# KiCad board panel.kicad_pcb (continued)
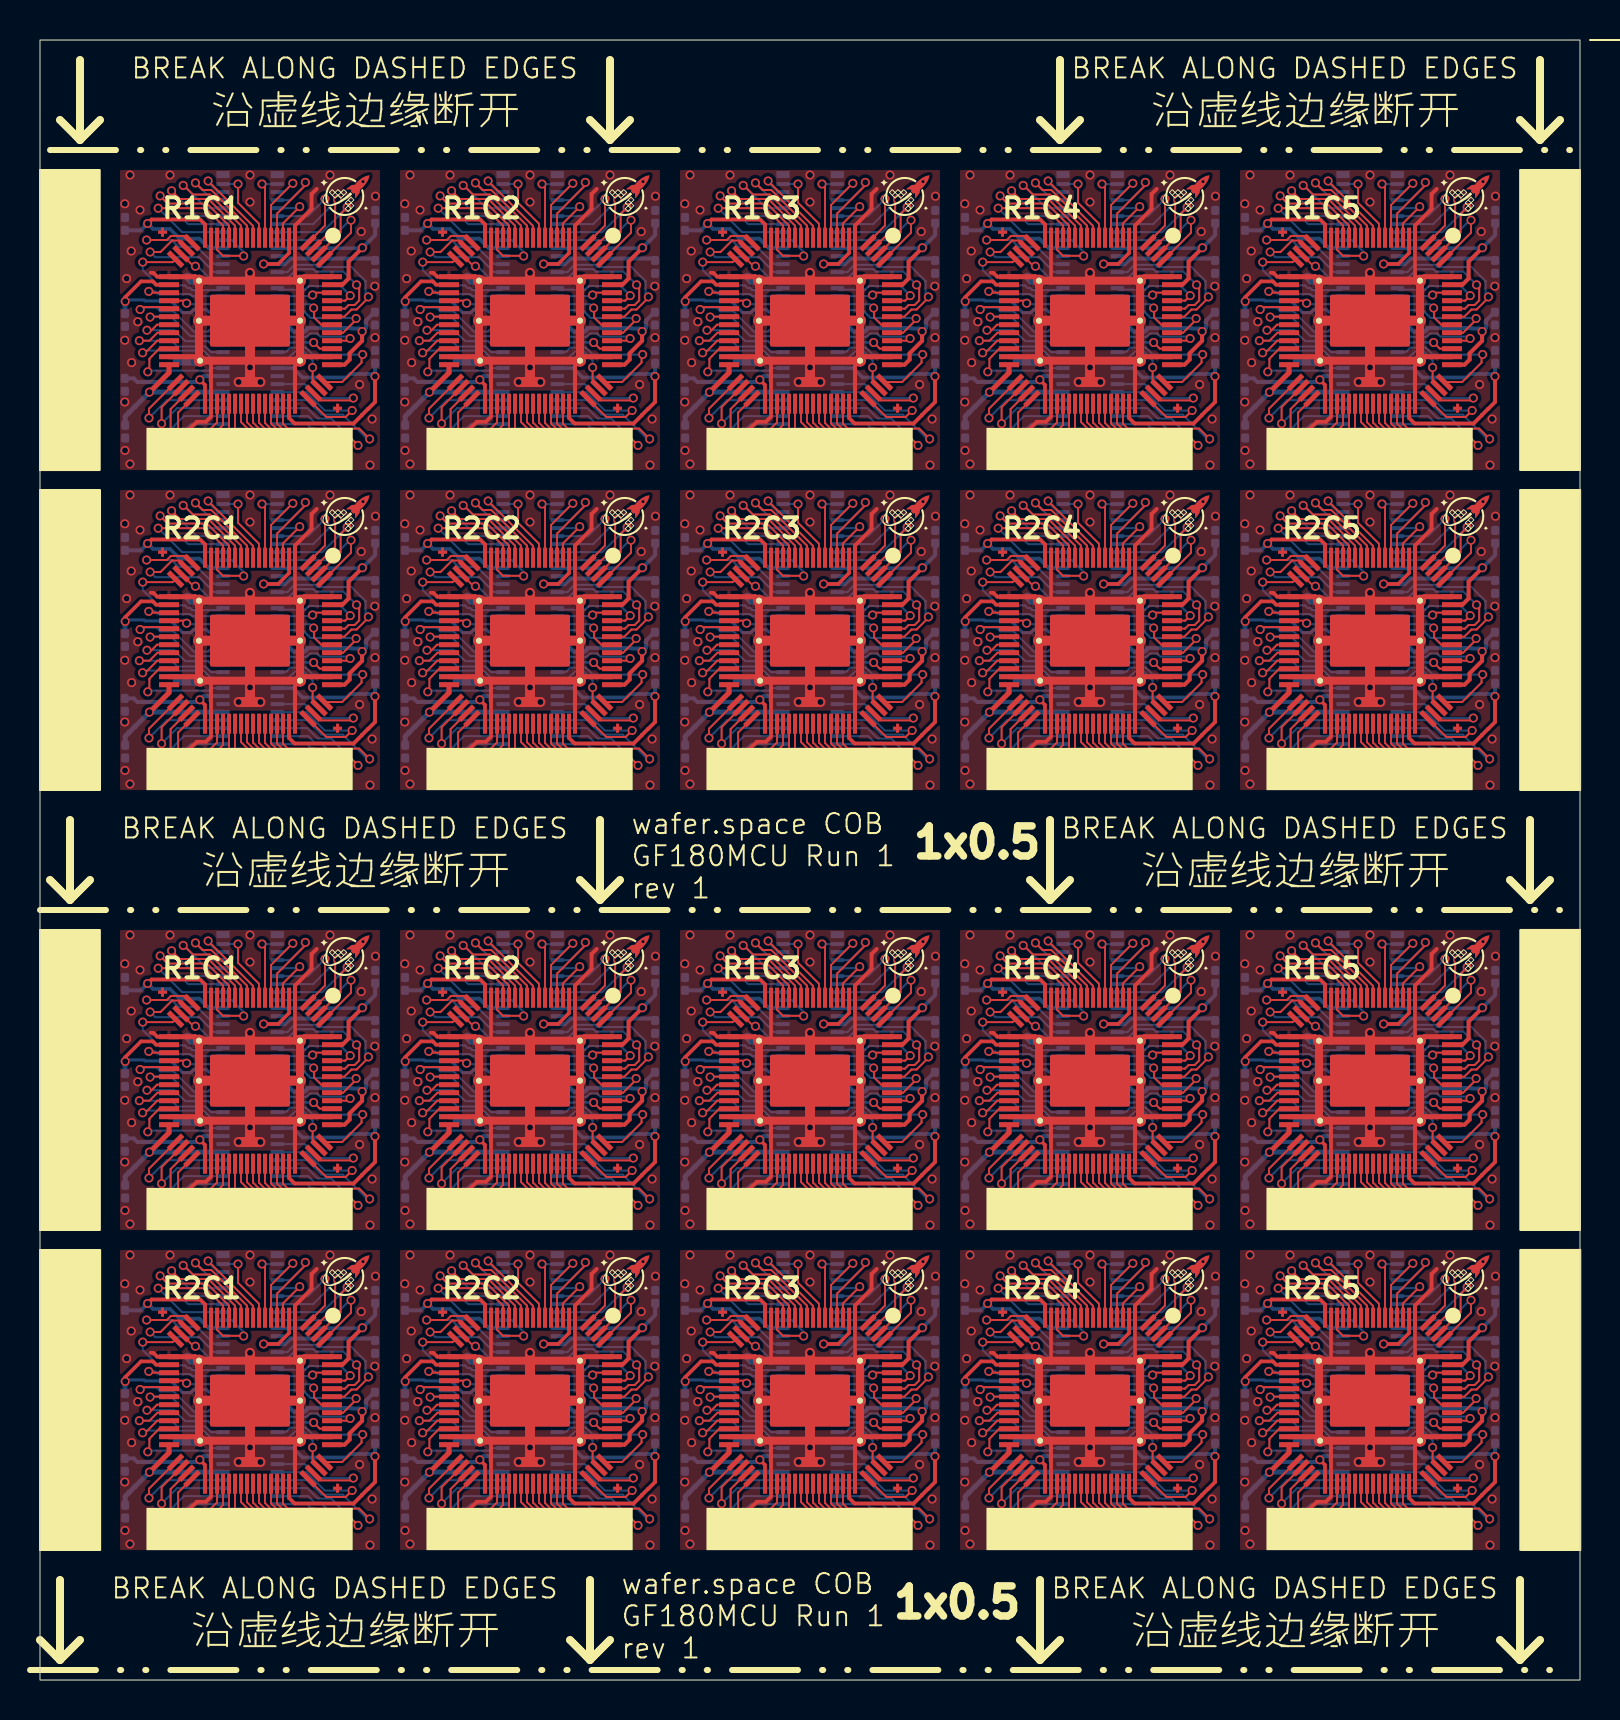
[diagram p0: board, top side]
## Routing (per net, layer and track width the routed paths; a pad name or vN(x,y) marks a point on that pad's centre or on a via; arc(x,y) is an arc through that point) (continued)
PWR_AUX_0: length 174.3
  Top w0.18: v1(60.26,68.93) 60.26,69.14 61.05,69.93 61.64,69.93 61.8,69.77 U110.26 ; v1(4.26,68.93) 4.26,69.14 5.05,69.93 5.64,69.93 5.8,69.77 U102#2.26 ; U120#2.26 61.8,53.77 61.64,53.93 61.05,53.93 60.26,53.14 v1(60.26,52.93) ; v1(46.26,52.93) 46.26,53.14 47.05,53.93 47.64,53.93 47.8,53.77 U118.26 ; U108.26 47.8,31.77 47.64,31.93 47.05,31.93 46.26,31.14 v1(46.26,30.93) ; U118#2.26 47.8,15.77 47.64,15.93 47.05,15.93 46.26,15.14 v1(46.26,14.93) ; U116.26 33.8,53.77 33.64,53.93 33.05,53.93 32.26,53.14 v1(32.26,52.93) ; U116#2.26 33.8,15.77 33.64,15.93 33.05,15.93 32.26,15.14 v1(32.26,14.93) ; v1(18.26,14.93) 18.26,15.14 19.05,15.93 19.64,15.93 19.8,15.77 U114#2.26 ; U104.26 19.8,69.77 19.64,69.93 19.05,69.93 18.26,69.14 v1(18.26,68.93) ; v1(4.26,14.93) 4.26,15.14 5.05,15.93 5.64,15.93 5.8,15.77 U112#2.26 ; v1(60.26,30.93) 60.26,31.14 61.05,31.93 61.64,31.93 61.8,31.77 U110#2.26 ; v1(46.26,68.93) 46.26,69.14 47.05,69.93 47.64,69.93 47.8,69.77 U108#2.26 ; U106.26 33.8,69.77 33.64,69.93 33.05,69.93 32.26,69.14 v1(32.26,68.93) ; U114.26 19.8,53.77 19.64,53.93 19.05,53.93 18.26,53.14 v1(18.26,52.93) ; v1(4.26,30.93) 4.26,31.14 5.05,31.93 5.64,31.93 5.8,31.77 U102.26 ; U106#2.26 33.8,31.77 33.64,31.93 33.05,31.93 32.26,31.14 v1(32.26,30.93) ; v1(4.26,52.93) 4.26,53.14 5.05,53.93 5.64,53.93 5.8,53.77 U112.26 ; U104#2.26 19.8,31.77 19.64,31.93 19.05,31.93 18.26,31.14 v1(18.26,30.93) ; U120.26 61.8,15.77 61.64,15.93 61.05,15.93 60.26,15.14 v1(60.26,14.93)
  Bottom w0.15: v1(32.26,30.93) 32.33,31 33.2,31 33.25,30.95 34.54,30.95 35.13,30.36 35.53,30.36 35.68,30.52 36.32,30.52 36.44,30.4 37.15,30.4 37.15,30.39 ; v1(18.26,68.93) 18.33,69 19.2,69 19.25,68.95 20.54,68.95 21.13,68.36 21.53,68.36 21.68,68.52 22.32,68.52 22.44,68.4 23.15,68.4 U103.54 ; 9.15,14.39 9.15,14.4 8.44,14.4 8.32,14.52 7.68,14.52 7.53,14.36 7.13,14.36 6.54,14.95 5.25,14.95 5.2,15 4.33,15 v1(4.26,14.93) ; 37.15,14.39 37.15,14.4 36.44,14.4 36.32,14.52 35.68,14.52 35.53,14.36 35.13,14.36 34.54,14.95 33.25,14.95 33.2,15 32.33,15 v1(32.26,14.93) ; 23.15,30.39 23.15,30.4 22.44,30.4 22.32,30.52 21.68,30.52 21.53,30.36 21.13,30.36 20.54,30.95 19.25,30.95 19.2,31 18.33,31 v1(18.26,30.93) ; v1(60.26,30.93) 60.33,31 61.2,31 61.25,30.95 62.54,30.95 63.13,30.36 63.53,30.36 63.68,30.52 64.32,30.52 64.44,30.4 65.15,30.4 65.16,30.39 ; v1(46.26,52.93) 46.33,53 47.2,53 47.25,52.95 48.54,52.95 49.13,52.36 49.53,52.36 49.68,52.52 50.32,52.52 50.44,52.4 51.15,52.4 51.15,52.39 ; v1(46.26,68.93) 46.33,69 47.2,69 47.25,68.95 48.54,68.95 49.13,68.36 49.53,68.36 49.68,68.52 50.32,68.52 50.44,68.4 51.15,68.4 U107#2.54 ; 9.15,52.39 9.15,52.4 8.44,52.4 8.32,52.52 7.68,52.52 7.53,52.36 7.13,52.36 6.54,52.95 5.25,52.95 5.2,53 4.33,53 v1(4.26,52.93) ; 9.15,30.39 9.15,30.4 8.44,30.4 8.32,30.52 7.68,30.52 7.53,30.36 7.13,30.36 6.54,30.95 5.25,30.95 5.2,31 4.33,31 v1(4.26,30.93) ; U105#2.54 37.15,68.4 36.44,68.4 36.32,68.52 35.68,68.52 35.53,68.36 35.13,68.36 34.54,68.95 33.25,68.95 33.2,69 32.33,69 v1(32.26,68.93) ; 51.15,30.39 51.15,30.4 50.44,30.4 50.32,30.52 49.68,30.52 49.53,30.36 49.13,30.36 48.54,30.95 47.25,30.95 47.2,31 46.33,31 v1(46.26,30.93) ; v1(60.26,52.93) 60.33,53 61.2,53 61.25,52.95 62.54,52.95 63.13,52.36 63.53,52.36 63.68,52.52 64.32,52.52 64.44,52.4 65.15,52.4 65.16,52.39 ; v1(32.26,52.93) 32.33,53 33.2,53 33.25,52.95 34.54,52.95 35.13,52.36 35.53,52.36 35.68,52.52 36.32,52.52 36.44,52.4 37.15,52.4 37.15,52.39 ; v1(60.26,14.93) 60.33,15 61.2,15 61.25,14.95 62.54,14.95 63.13,14.36 63.53,14.36 63.68,14.52 64.32,14.52 64.44,14.4 65.15,14.4 65.16,14.39 ; 23.15,14.39 23.15,14.4 22.44,14.4 22.32,14.52 21.68,14.52 21.53,14.36 21.13,14.36 20.54,14.95 19.25,14.95 19.2,15 18.33,15 v1(18.26,14.93) ; v1(18.26,52.93) 18.33,53 19.2,53 19.25,52.95 20.54,52.95 21.13,52.36 21.53,52.36 21.68,52.52 22.32,52.52 22.44,52.4 23.15,52.4 23.15,52.39 ; v1(46.26,14.93) 46.33,15 47.2,15 47.25,14.95 48.54,14.95 49.13,14.36 49.53,14.36 49.68,14.52 50.32,14.52 50.44,14.4 51.15,14.4 51.15,14.39 ; v1(60.26,68.93) 60.33,69 61.2,69 61.25,68.95 62.54,68.95 63.13,68.36 63.53,68.36 63.68,68.52 64.32,68.52 64.44,68.4 65.15,68.4 U109.54 ; U101#2.54 9.15,68.4 8.44,68.4 8.32,68.52 7.68,68.52 7.53,68.36 7.13,68.36 6.54,68.95 5.25,68.95 5.2,69 4.33,69 v1(4.26,68.93)
  Bottom w0.25: v1(4.26,30.93) 4.25,30.92 C105#2.1 ; C169.1 46.25,52.92 v1(46.26,52.93) ; v1(46.26,14.93) 46.25,14.92 C169#2.1 ; C145.1 4.25,52.92 v1(4.26,52.93) ; v1(18.26,14.93) 18.25,14.92 C153.1 ; C121.1 32.25,30.92 v1(32.26,30.93) ; C177.1 60.25,52.92 v1(60.26,52.93) ; v1(4.26,68.93) 4.25,68.92 C105.1 ; v1(18.26,68.93) 18.25,68.92 C113.1 ; v1(32.26,14.93) 32.25,14.92 C161.1 ; v1(18.26,52.93) 18.25,52.92 C153#2.1 ; v1(4.26,14.93) 4.25,14.92 C145#2.1 ; C113#2.1 18.25,30.92 v1(18.26,30.93) ; v1(60.26,68.93) 60.25,68.92 C137#2.1 ; C177#2.1 60.25,14.92 v1(60.26,14.93) ; C129.1 46.25,68.92 v1(46.26,68.93) ; C129#2.1 46.25,30.92 v1(46.26,30.93) ; C161#2.1 32.25,52.92 v1(32.26,52.93) ; C121#2.1 32.25,68.92 v1(32.26,68.93) ; v1(60.26,30.93) 60.25,30.92 C137.1
PWR_AUX_1: length 167.3
  Top w0.2: U102#2.61 15.23,65.77 15.48,66.02 15.48,66.33 16.1,66.96 v1(16.1,67.42) ; U108#2.61 57.23,65.77 57.48,66.02 57.48,66.33 58.1,66.96 v1(58.1,67.42) ; v1(16.1,13.42) 16.1,12.96 15.48,12.33 15.48,12.02 15.23,11.77 U112#2.61 ; U120#2.61 71.22,49.77 71.48,50.02 71.48,50.33 72.11,50.96 v1(72.11,51.42) ; v1(44.1,29.42) 44.1,28.96 43.48,28.33 43.48,28.02 43.23,27.77 U106#2.61 ; U116#2.61 43.23,11.77 43.48,12.02 43.48,12.33 44.1,12.96 v1(44.1,13.42) ; U110.61 71.22,65.77 71.48,66.02 71.48,66.33 72.11,66.96 v1(72.11,67.42) ; U114.61 29.23,49.77 29.48,50.02 29.48,50.33 30.1,50.96 v1(30.1,51.42) ; U104.61 29.23,65.77 29.48,66.02 29.48,66.33 30.1,66.96 v1(30.1,67.42) ; U114#2.61 29.23,11.77 29.48,12.02 29.48,12.33 30.1,12.96 v1(30.1,13.42) ; v1(44.1,67.42) 44.1,66.96 43.48,66.33 43.48,66.02 43.23,65.77 U106.61 ; v1(30.1,29.42) 30.1,28.96 29.48,28.33 29.48,28.02 29.23,27.77 U104#2.61 ; U118#2.61 57.23,11.77 57.48,12.02 57.48,12.33 58.1,12.96 v1(58.1,13.42) ; U108.61 57.23,27.77 57.48,28.02 57.48,28.33 58.1,28.96 v1(58.1,29.42) ; U110#2.61 71.22,27.77 71.48,28.02 71.48,28.33 72.11,28.96 v1(72.11,29.42) ; U118.61 57.23,49.77 57.48,50.02 57.48,50.33 58.1,50.96 v1(58.1,51.42) ; v1(16.1,29.42) 16.1,28.96 15.48,28.33 15.48,28.02 15.23,27.77 U102.61 ; v1(16.1,51.42) 16.1,50.96 15.48,50.33 15.48,50.02 15.23,49.77 U112.61 ; U120.61 71.22,11.77 71.48,12.02 71.48,12.33 72.11,12.96 v1(72.11,13.42) ; U116.61 43.23,49.77 43.48,50.02 43.48,50.33 44.1,50.96 v1(44.1,51.42)
  Bottom w0.2: C114.1 30.72,68.39 30.3,67.97 30.3,67.62 v1(30.1,67.42) 29.96,67.58 29.6,67.58 29.57,67.6 27.42,67.6 27.39,67.58 27.38,67.58 27.31,67.51 27.31,67.5 27.22,67.41 26.69,67.41 26.51,67.59 U103.19 ; C154.1 30.72,52.39 30.3,51.97 30.3,51.62 v1(30.1,51.42) 29.96,51.58 29.6,51.58 29.57,51.6 27.42,51.6 27.39,51.58 27.38,51.58 27.31,51.51 27.31,51.5 27.22,51.41 26.69,51.41 26.51,51.59 U113.19 ; U113#2.19 26.51,13.59 26.69,13.41 27.22,13.41 27.31,13.5 27.31,13.51 27.38,13.58 27.39,13.58 27.42,13.6 29.57,13.6 29.6,13.58 29.96,13.58 v1(30.1,13.42) 30.3,13.62 30.3,13.97 30.72,14.39 C154#2.1 ; C146.1 16.72,52.39 16.3,51.97 16.3,51.62 v1(16.1,51.42) 15.96,51.58 15.6,51.58 15.57,51.6 13.42,51.6 13.39,51.58 13.38,51.58 13.31,51.51 13.31,51.5 13.22,51.41 12.69,51.41 12.51,51.59 U111.19 ; C138#2.1 72.72,30.39 72.31,29.97 72.31,29.62 v1(72.11,29.42) 71.96,29.58 71.6,29.58 71.57,29.6 69.42,29.6 69.39,29.58 69.38,29.58 69.31,29.51 69.31,29.5 69.22,29.41 68.69,29.41 68.5,29.59 U109#2.19 ; C130.1 58.72,30.39 58.3,29.97 58.3,29.62 v1(58.1,29.42) 57.96,29.58 57.6,29.58 57.57,29.6 55.42,29.6 55.39,29.58 55.38,29.58 55.31,29.51 55.31,29.5 55.22,29.41 54.69,29.41 54.51,29.59 U107.19 ; U115#2.19 40.51,13.59 40.69,13.41 41.22,13.41 41.31,13.5 41.31,13.51 41.38,13.58 41.39,13.58 41.42,13.6 43.57,13.6 43.6,13.58 43.96,13.58 v1(44.1,13.42) 44.3,13.62 44.3,13.97 44.72,14.39 C162#2.1 ; C178#2.1 72.72,52.39 72.31,51.97 72.31,51.62 v1(72.11,51.42) 71.96,51.58 71.6,51.58 71.57,51.6 69.42,51.6 69.39,51.58 69.38,51.58 69.31,51.51 69.31,51.5 69.22,51.41 68.69,51.41 68.5,51.59 U119#2.19 ; U101.19 12.51,29.59 12.69,29.41 13.22,29.41 13.31,29.5 13.31,29.51 13.38,29.58 13.39,29.58 13.42,29.6 15.57,29.6 15.6,29.58 15.96,29.58 v1(16.1,29.42) 16.3,29.62 16.3,29.97 16.72,30.39 C106#2.1 ; U117#2.19 54.51,51.59 54.69,51.41 55.22,51.41 55.31,51.5 55.31,51.51 55.38,51.58 55.39,51.58 55.42,51.6 57.57,51.6 57.6,51.58 57.96,51.58 v1(58.1,51.42) 58.3,51.62 58.3,51.97 58.72,52.39 C170#2.1 ; U115.19 40.51,51.59 40.69,51.41 41.22,51.41 41.31,51.5 41.31,51.51 41.38,51.58 41.39,51.58 41.42,51.6 43.57,51.6 43.6,51.58 43.96,51.58 v1(44.1,51.42) 44.3,51.62 44.3,51.97 44.72,52.39 C162.1 ; U105#2.19 40.51,67.59 40.69,67.41 41.22,67.41 41.31,67.5 41.31,67.51 41.38,67.58 41.39,67.58 41.42,67.6 43.57,67.6 43.6,67.58 43.96,67.58 v1(44.1,67.42) 44.3,67.62 44.3,67.97 44.72,68.39 C122.1 ; U103#2.19 26.51,29.59 26.69,29.41 27.22,29.41 27.31,29.5 27.31,29.51 27.38,29.58 27.39,29.58 27.42,29.6 29.57,29.6 29.6,29.58 29.96,29.58 v1(30.1,29.42) 30.3,29.62 30.3,29.97 30.72,30.39 C114#2.1 ; U109.19 68.5,67.59 68.69,67.41 69.22,67.41 69.31,67.5 69.31,67.51 69.38,67.58 69.39,67.58 69.42,67.6 71.57,67.6 71.6,67.58 71.96,67.58 v1(72.11,67.42) 72.31,67.62 72.31,67.97 72.72,68.39 C138.1 ; U101#2.19 12.51,67.59 12.69,67.41 13.22,67.41 13.31,67.5 13.31,67.51 13.38,67.58 13.39,67.58 13.42,67.6 15.57,67.6 15.6,67.58 15.96,67.58 v1(16.1,67.42) 16.3,67.62 16.3,67.97 16.72,68.39 C106.1 ; C170.1 58.72,14.39 58.3,13.97 58.3,13.62 v1(58.1,13.42) 57.96,13.58 57.6,13.58 57.57,13.6 55.42,13.6 55.39,13.58 55.38,13.58 55.31,13.51 55.31,13.5 55.22,13.41 54.69,13.41 54.51,13.59 U117.19 ; C122#2.1 44.72,30.39 44.3,29.97 44.3,29.62 v1(44.1,29.42) 43.96,29.58 43.6,29.58 43.57,29.6 41.42,29.6 41.39,29.58 41.38,29.58 41.31,29.51 41.31,29.5 41.22,29.41 40.69,29.41 40.51,29.59 U105.19 ; U111#2.19 12.51,13.59 12.69,13.41 13.22,13.41 13.31,13.5 13.31,13.51 13.38,13.58 13.39,13.58 13.42,13.6 15.57,13.6 15.6,13.58 15.96,13.58 v1(16.1,13.42) 16.3,13.62 16.3,13.97 16.72,14.39 C146#2.1 ; U119.19 68.5,13.59 68.69,13.41 69.22,13.41 69.31,13.5 69.31,13.51 69.38,13.58 69.39,13.58 69.42,13.6 71.57,13.6 71.6,13.58 71.96,13.58 v1(72.11,13.42) 72.31,13.62 72.31,13.97 72.72,14.39 C178.1 ; C130#2.1 58.72,68.39 58.3,67.97 58.3,67.62 v1(58.1,67.42) 57.96,67.58 57.6,67.58 57.57,67.6 55.42,67.6 55.39,67.58 55.38,67.58 55.31,67.51 55.31,67.5 55.22,67.41 54.69,67.41 54.51,67.59 U107#2.19

## Copper pours and planes (outline as drawn; the poured copper is in the pictures)
GND on Top, Bottom: 17.5,76 31.5,76 31.5,60 17.5,60
GND on Top, Bottom: 3.5,38 17.5,38 17.5,22 3.5,22
GND on Top, Bottom: 59.5,38 73.5,38 73.5,22 59.5,22
GND on Top, Bottom: 31.5,76 45.5,76 45.5,60 31.5,60
GND on Top, Bottom: 31.5,38 45.5,38 45.5,22 31.5,22
GND on Top, Bottom: 17.5,38 31.5,38 31.5,22 17.5,22
GND on Top, Bottom: 3.5,60 17.5,60 17.5,44 3.5,44
GND on Top, Bottom: 31.5,22 45.5,22 45.5,6 31.5,6
GND on Top, Bottom: 17.5,22 31.5,22 31.5,6 17.5,6
GND on Top, Bottom: 59.5,22 73.5,22 73.5,6 59.5,6
GND on Top, Bottom: 59.5,76 73.5,76 73.5,60 59.5,60
GND on Top, Bottom: 45.5,22 59.5,22 59.5,6 45.5,6
GND on Top, Bottom: 17.5,60 31.5,60 31.5,44 17.5,44
GND on Top, Bottom: 59.5,60 73.5,60 73.5,44 59.5,44
GND on Top, Bottom: 45.5,60 59.5,60 59.5,44 45.5,44
GND on Top, Bottom: 3.5,22 17.5,22 17.5,6 3.5,6
GND on Top, Bottom: 31.5,60 45.5,60 45.5,44 31.5,44
GND on Top, Bottom: 45.5,76 59.5,76 59.5,60 45.5,60
GND on Top, Bottom: 3.5,76 17.5,76 17.5,60 3.5,60
GND on Top, Bottom: 45.5,38 59.5,38 59.5,22 45.5,22

## Text on the board
B.Silkscreen: 70 PIN MEZZANINE / 72 PIN PADRING / VERSION: 1x0p5 | wafer.space / GF180MCU Run 1
User.Eco2: Allocated Space / For Passives
F.Silkscreen: BREAK ALONG DASHED EDGES | wafer.space COB / GF180MCU Run 1 / rev 1 | R1C1 | R2C1 | R1C2 | R2C2 | R1C3 | R2C3 | R1C4 | R2C4 | R1C5 | R2C5 | 沿虚线边缘断开 | 1x0.5
User.1: V-CUT
